# Altium PCB MB2032.PcbDoc (part 1 of 2)
Units mm, origin at the board's own origin, x right, y up, seen from the top; angles counter-clockwise.
Board outline 43.1 x 54.35 mm, 4 copper layers (Top Layer, Internal 1, Internal 2, Bottom Layer), stack 1.614 mm thick; 112 components, 86 nets, 372 pads, 581 vias.
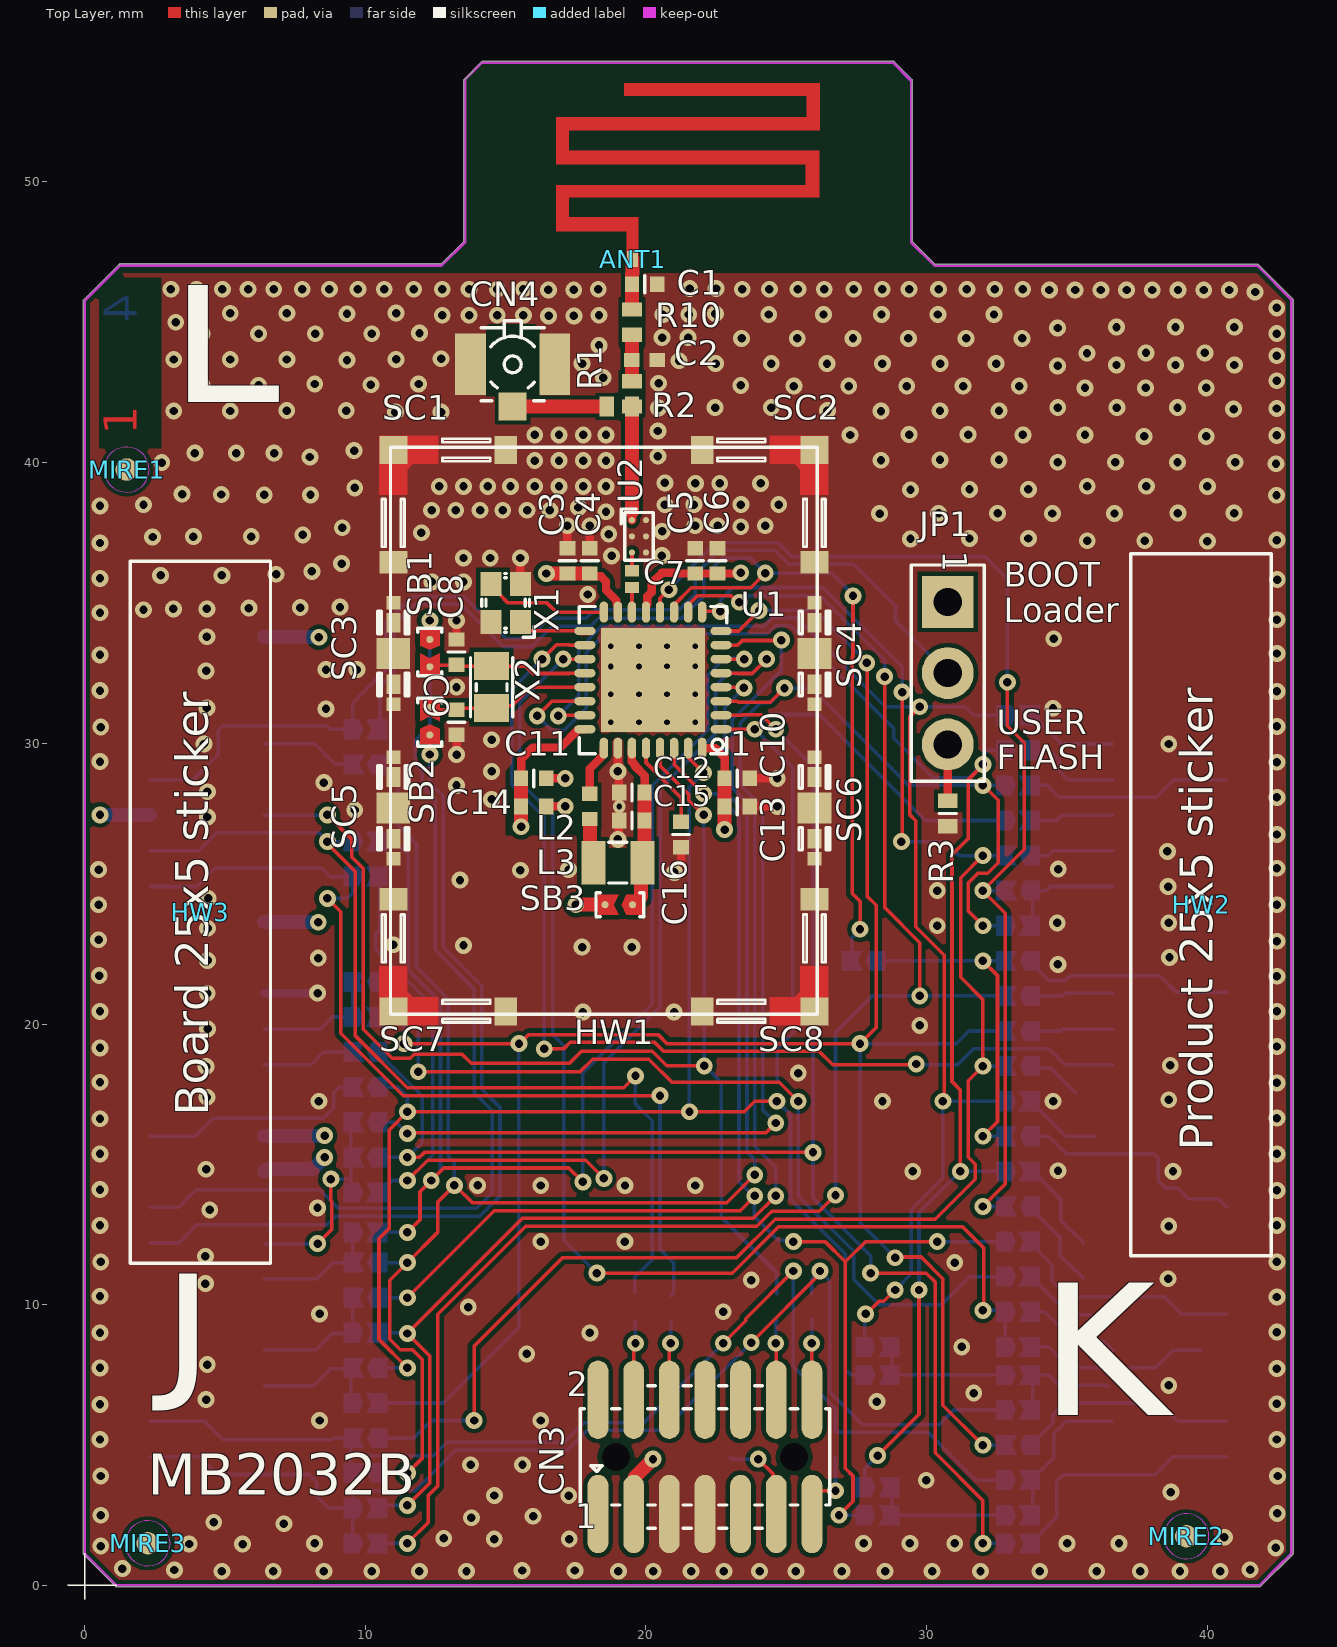
[diagram p0: Top Layer view]
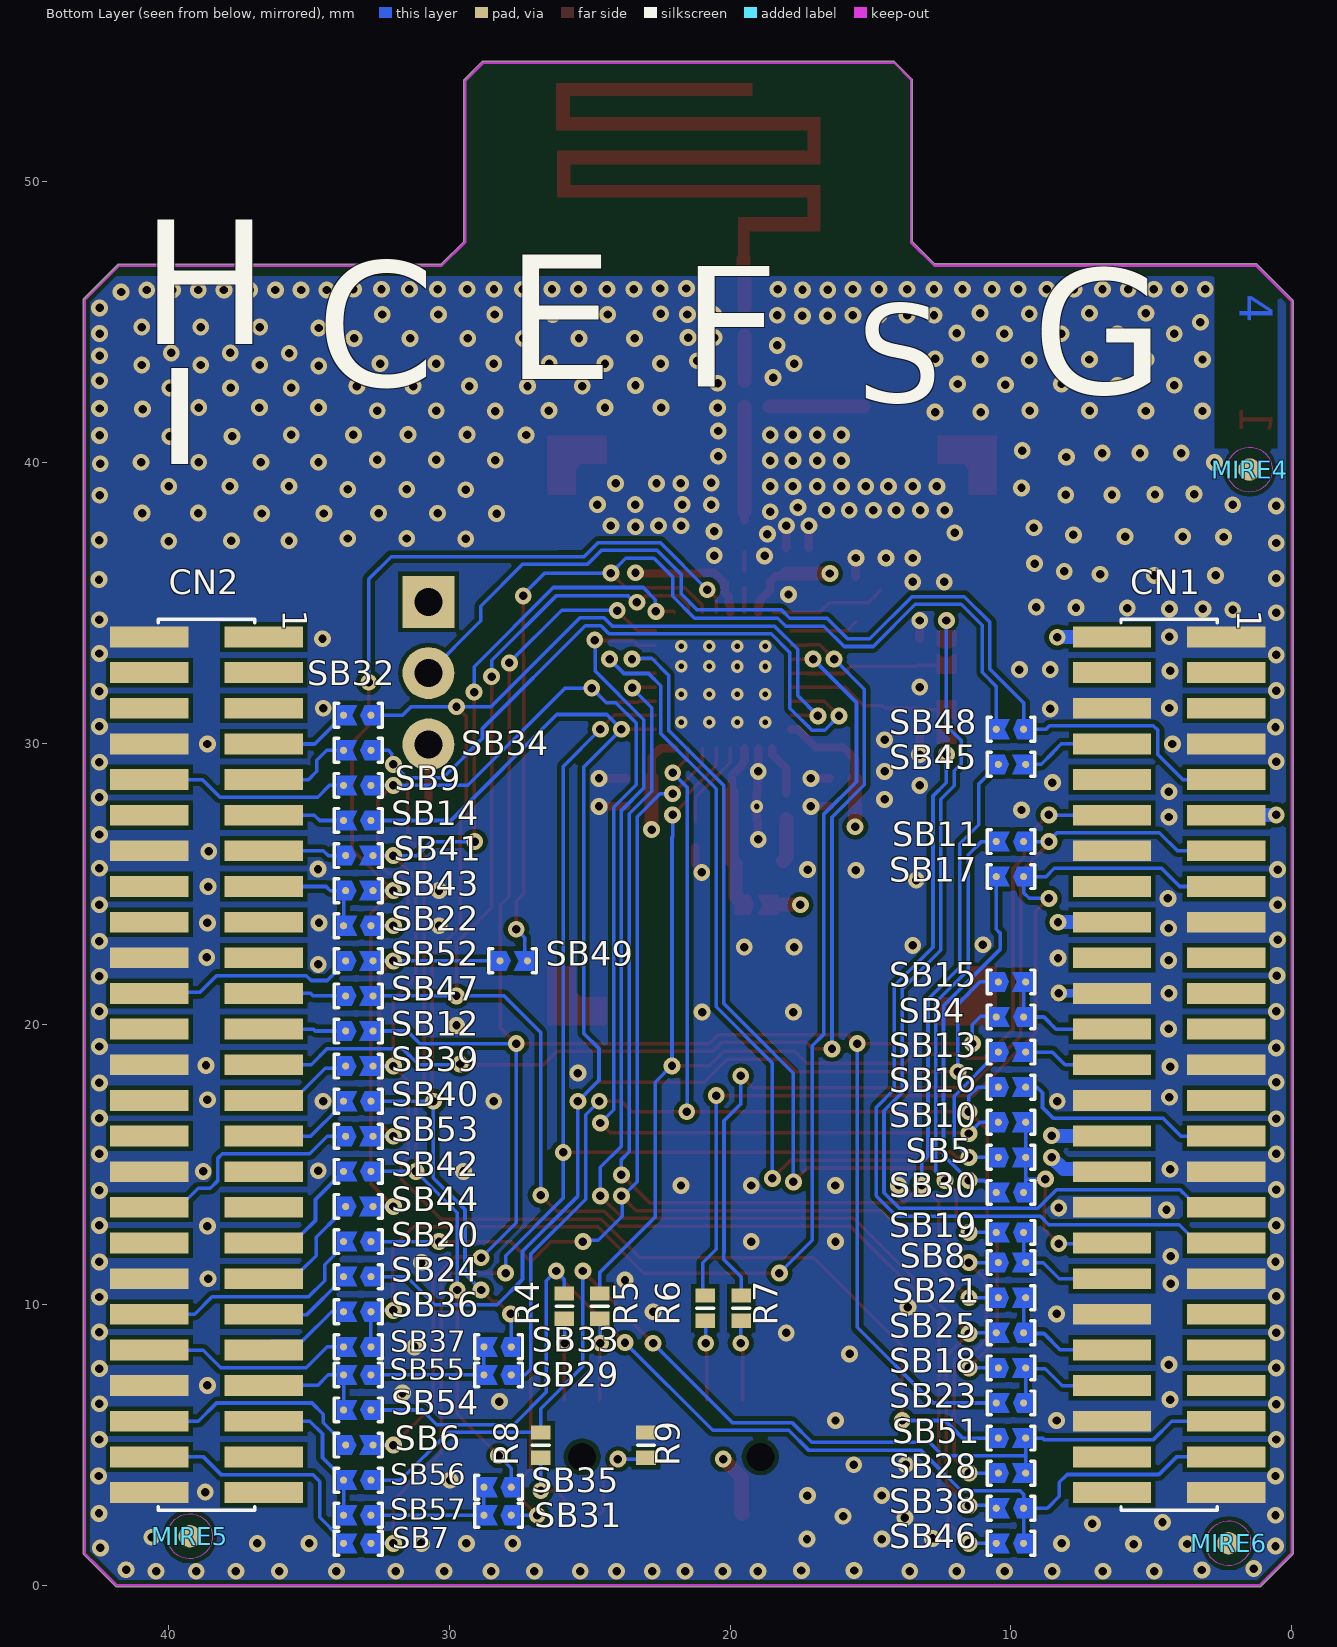
[diagram p1: Bottom Layer view, seen from below]
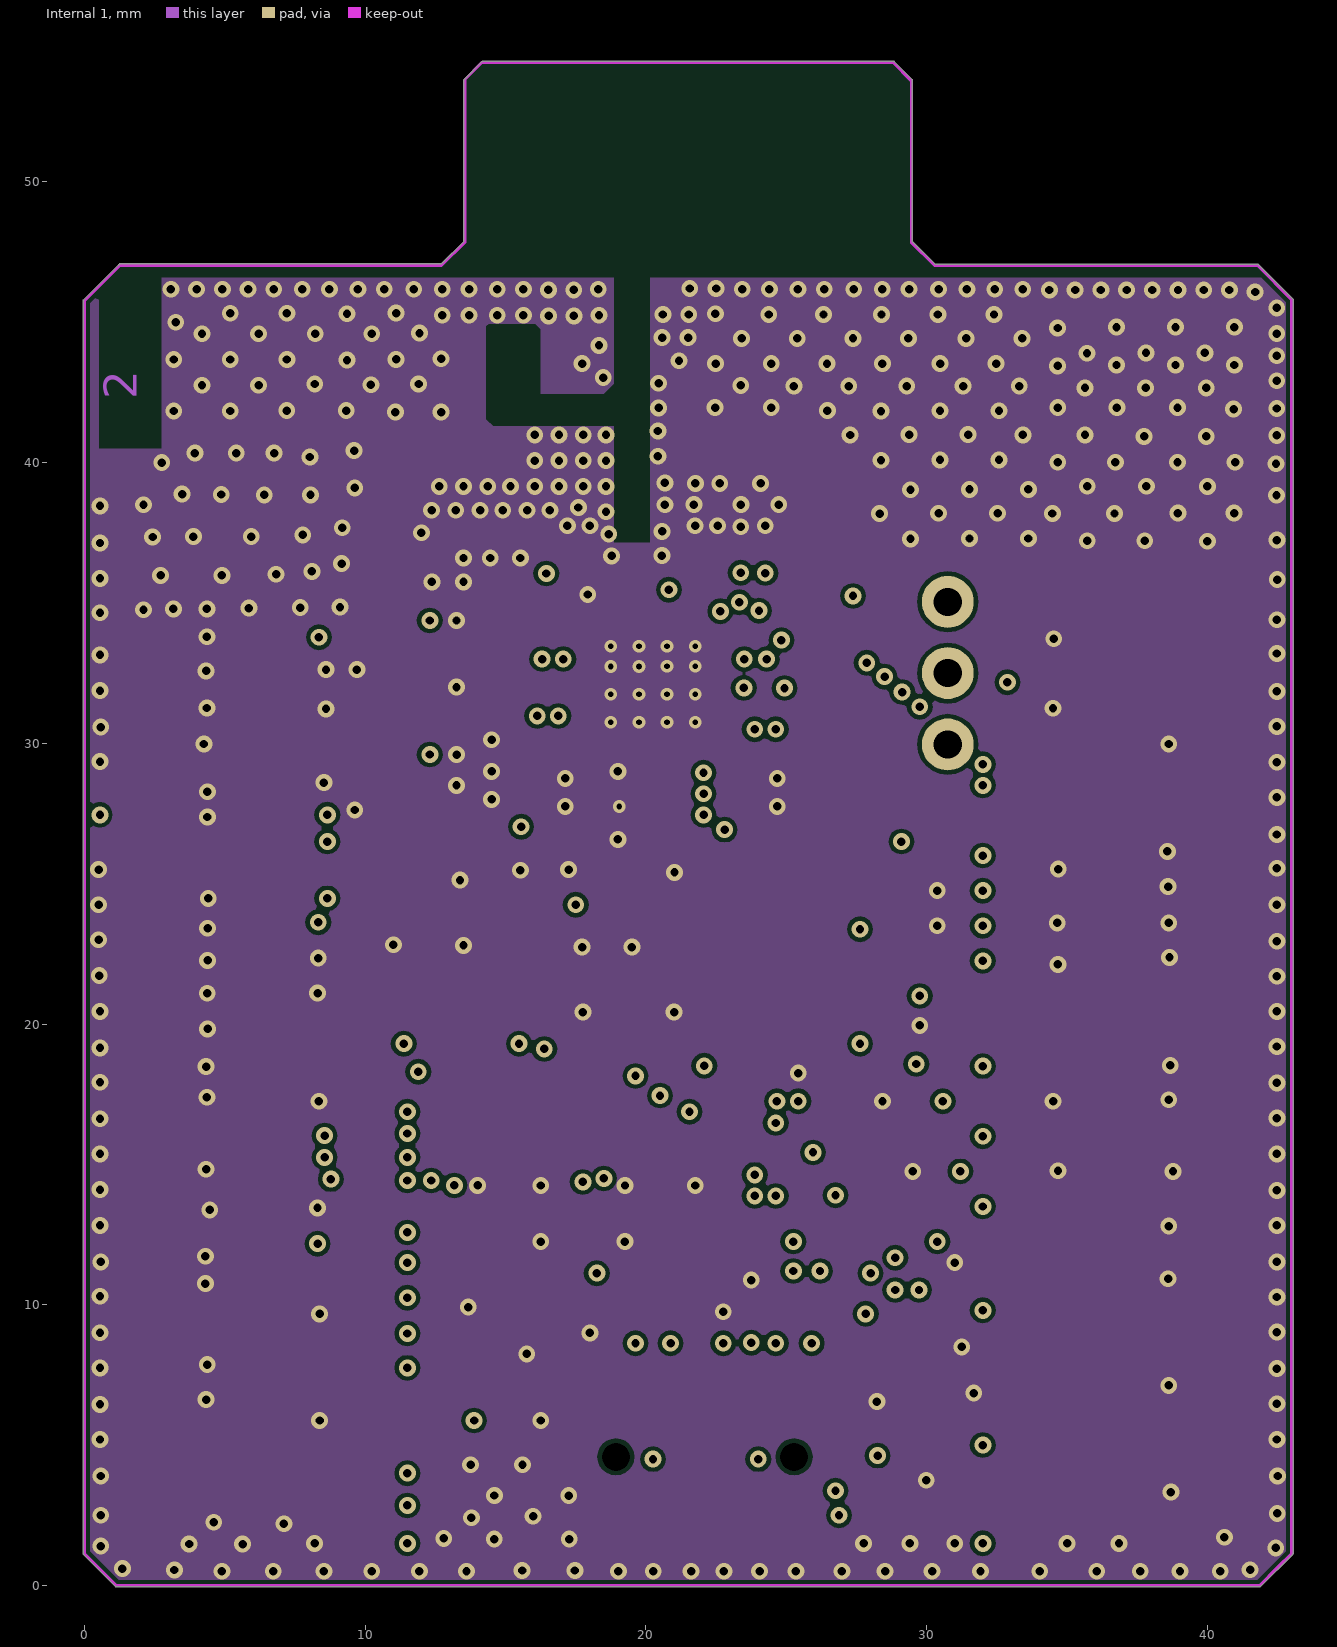
[diagram p2: Internal 1]
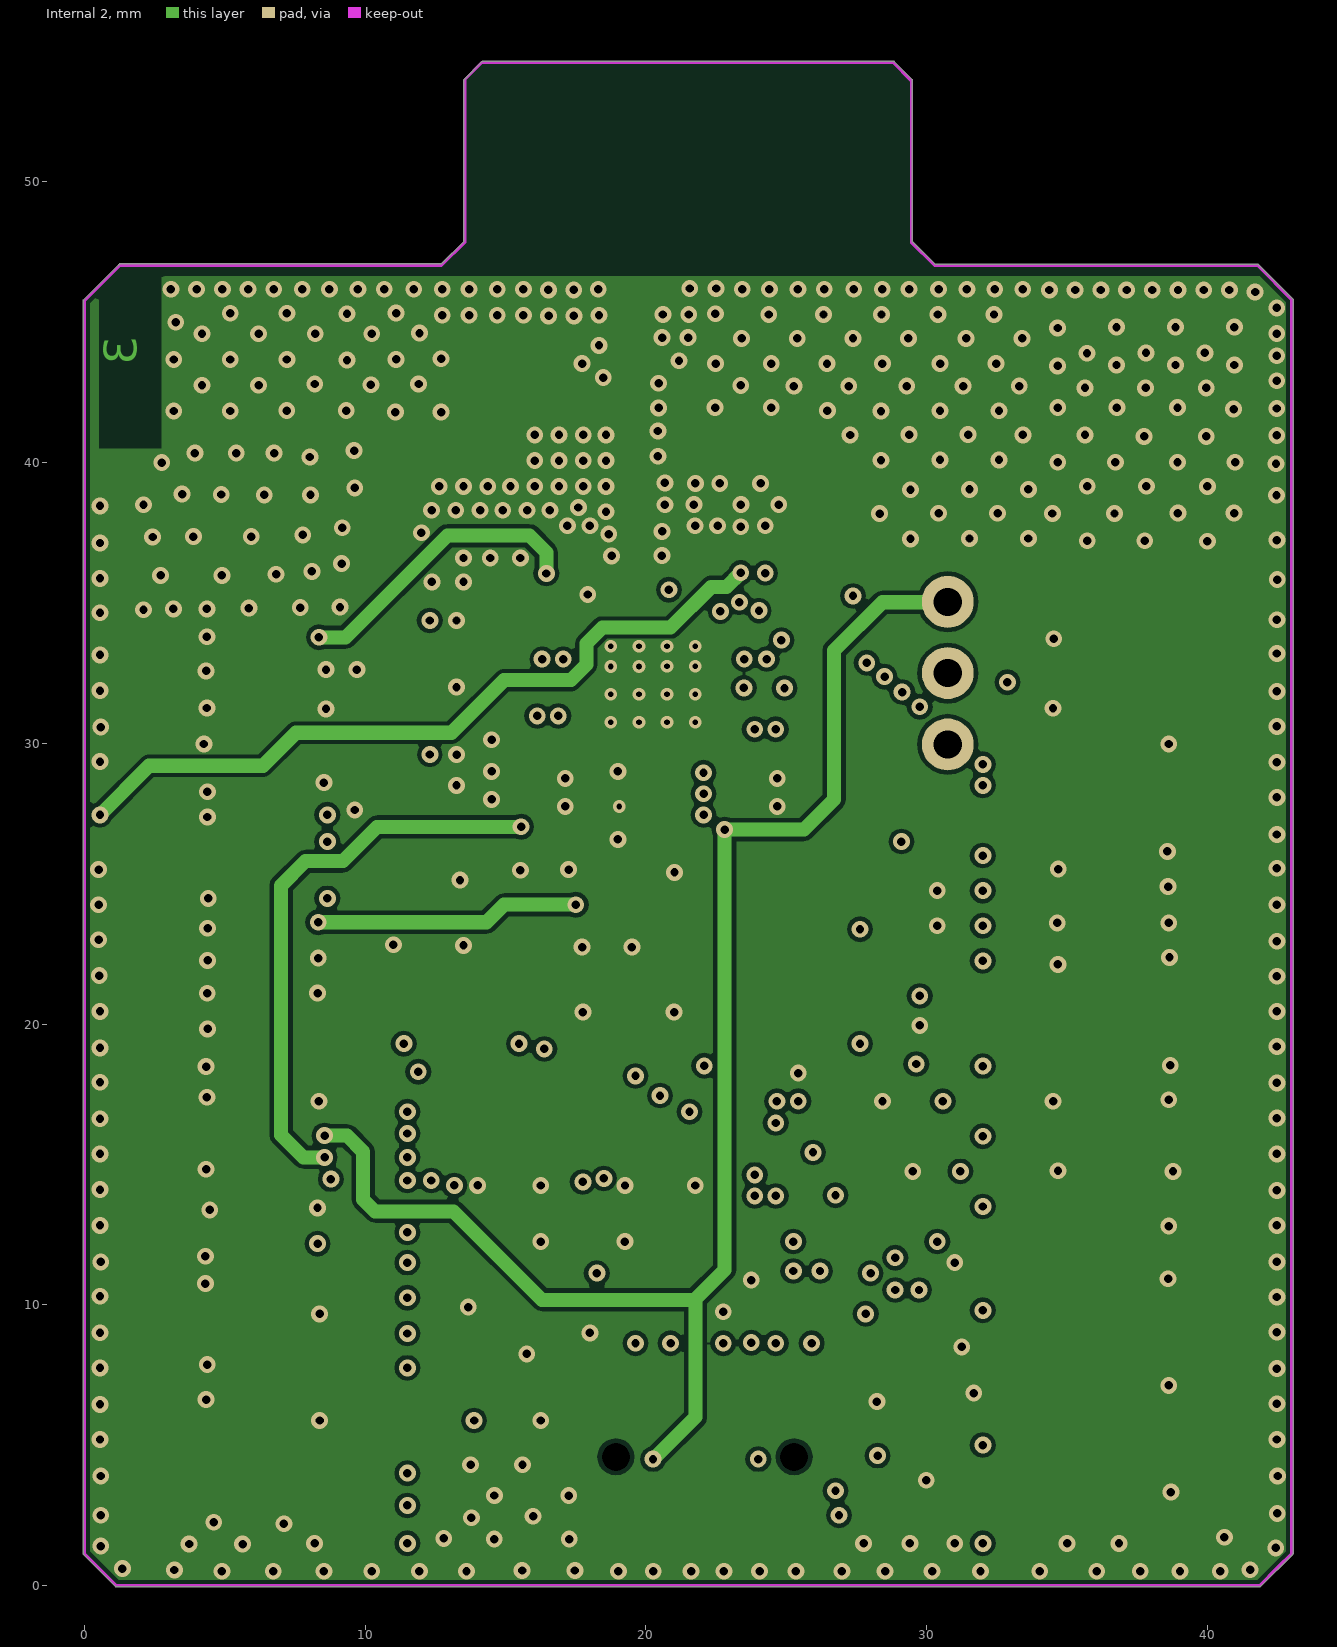
[diagram p3: Internal 2]
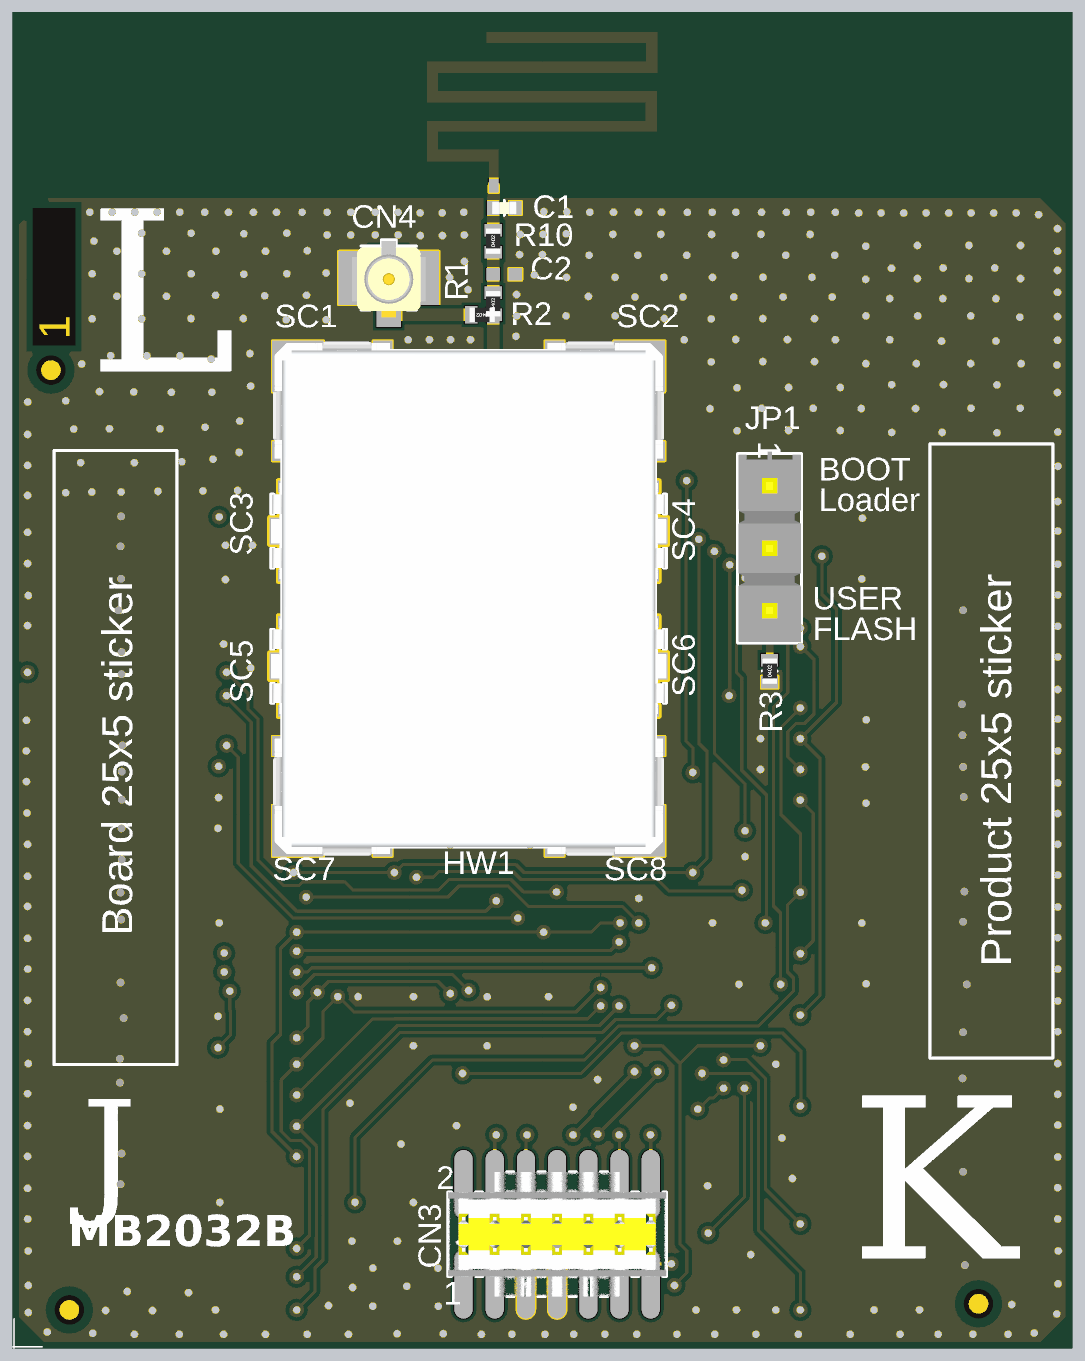
[diagram p5: 3D render of the assembled board from above, using the file's embedded part models]
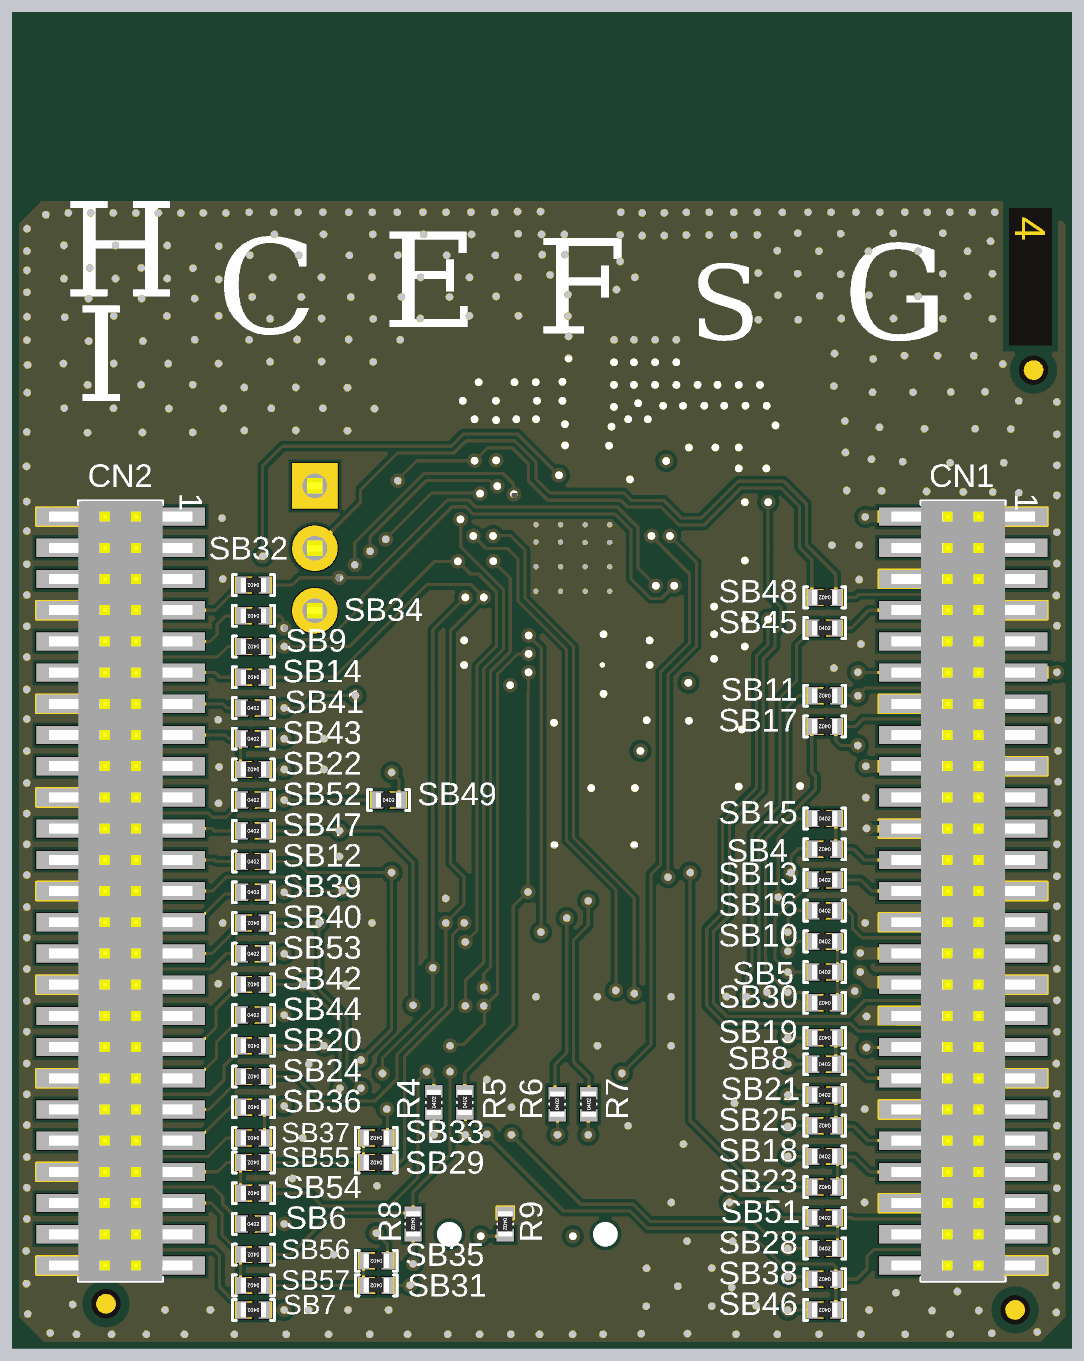
[diagram p6: 3D render of the assembled board from below, using the file's embedded part models]

## Layer stack, top to bottom
Top Solder: solder mask 0.015, Solder Resist, Dk 3.5
Top Layer: signal copper 0.042
Dielectric 1: core 0.106, FR-4, Dk 4.2
Internal 1: signal copper 0.035
Dielectric 3: prepreg 1.248, Dk 4.2
Internal 2: signal copper 0.035
Dielectric 2: core 0.106, Dk 4.2
Bottom Layer: signal copper 0.042
Bottom Solder: solder mask 0.015, Solder Resist, Dk 3.5

## Board outline
-0.05,1.139 -0.05,45.75 -0.05,45.755 cw(c0,45.755) -0.035,45.791 1.209,47.036 cw(c1.245,47) 1.218,47.042 cw(c1.26,47.015) 1.225,47.051 1.246,47.072 cw(c1.282,47.037) 1.282,47.087 12.721,47.087 13.512,47.878 13.512,53.615 cw(c13.563,53.615) 13.527,53.651 14.162,54.285 cw(c14.197,54.25) 14.198,54.3 28.803,54.3 cw(c28.803,54.25) 28.838,54.285 29.473,53.651 cw(c29.438,53.615) 29.488,53.615 29.488,47.876 30.293,47.071 cw(c30.257,47.035) 30.298,47.066 41.78,47.066 cw(c41.78,47.015) 41.816,47.051 43.03,45.837 cw(c43.001,45.795) 43.051,45.795 cw(c43.001,45.795) 43.05,45.785 43.05,1.151 cw(c43.001,1.141) 43.051,1.141 cw(c43.001,1.141) 43.037,1.105 41.888,-0.036 cw(c41.852,0) 41.852,-0.05 1.139,-0.05 cw(c1.139,0) 1.103,-0.036 -0.036,1.103 cw(c0,1.139)
